# KiCad board Type 1 Termination Board v3 design.kicad_pcb (continued)
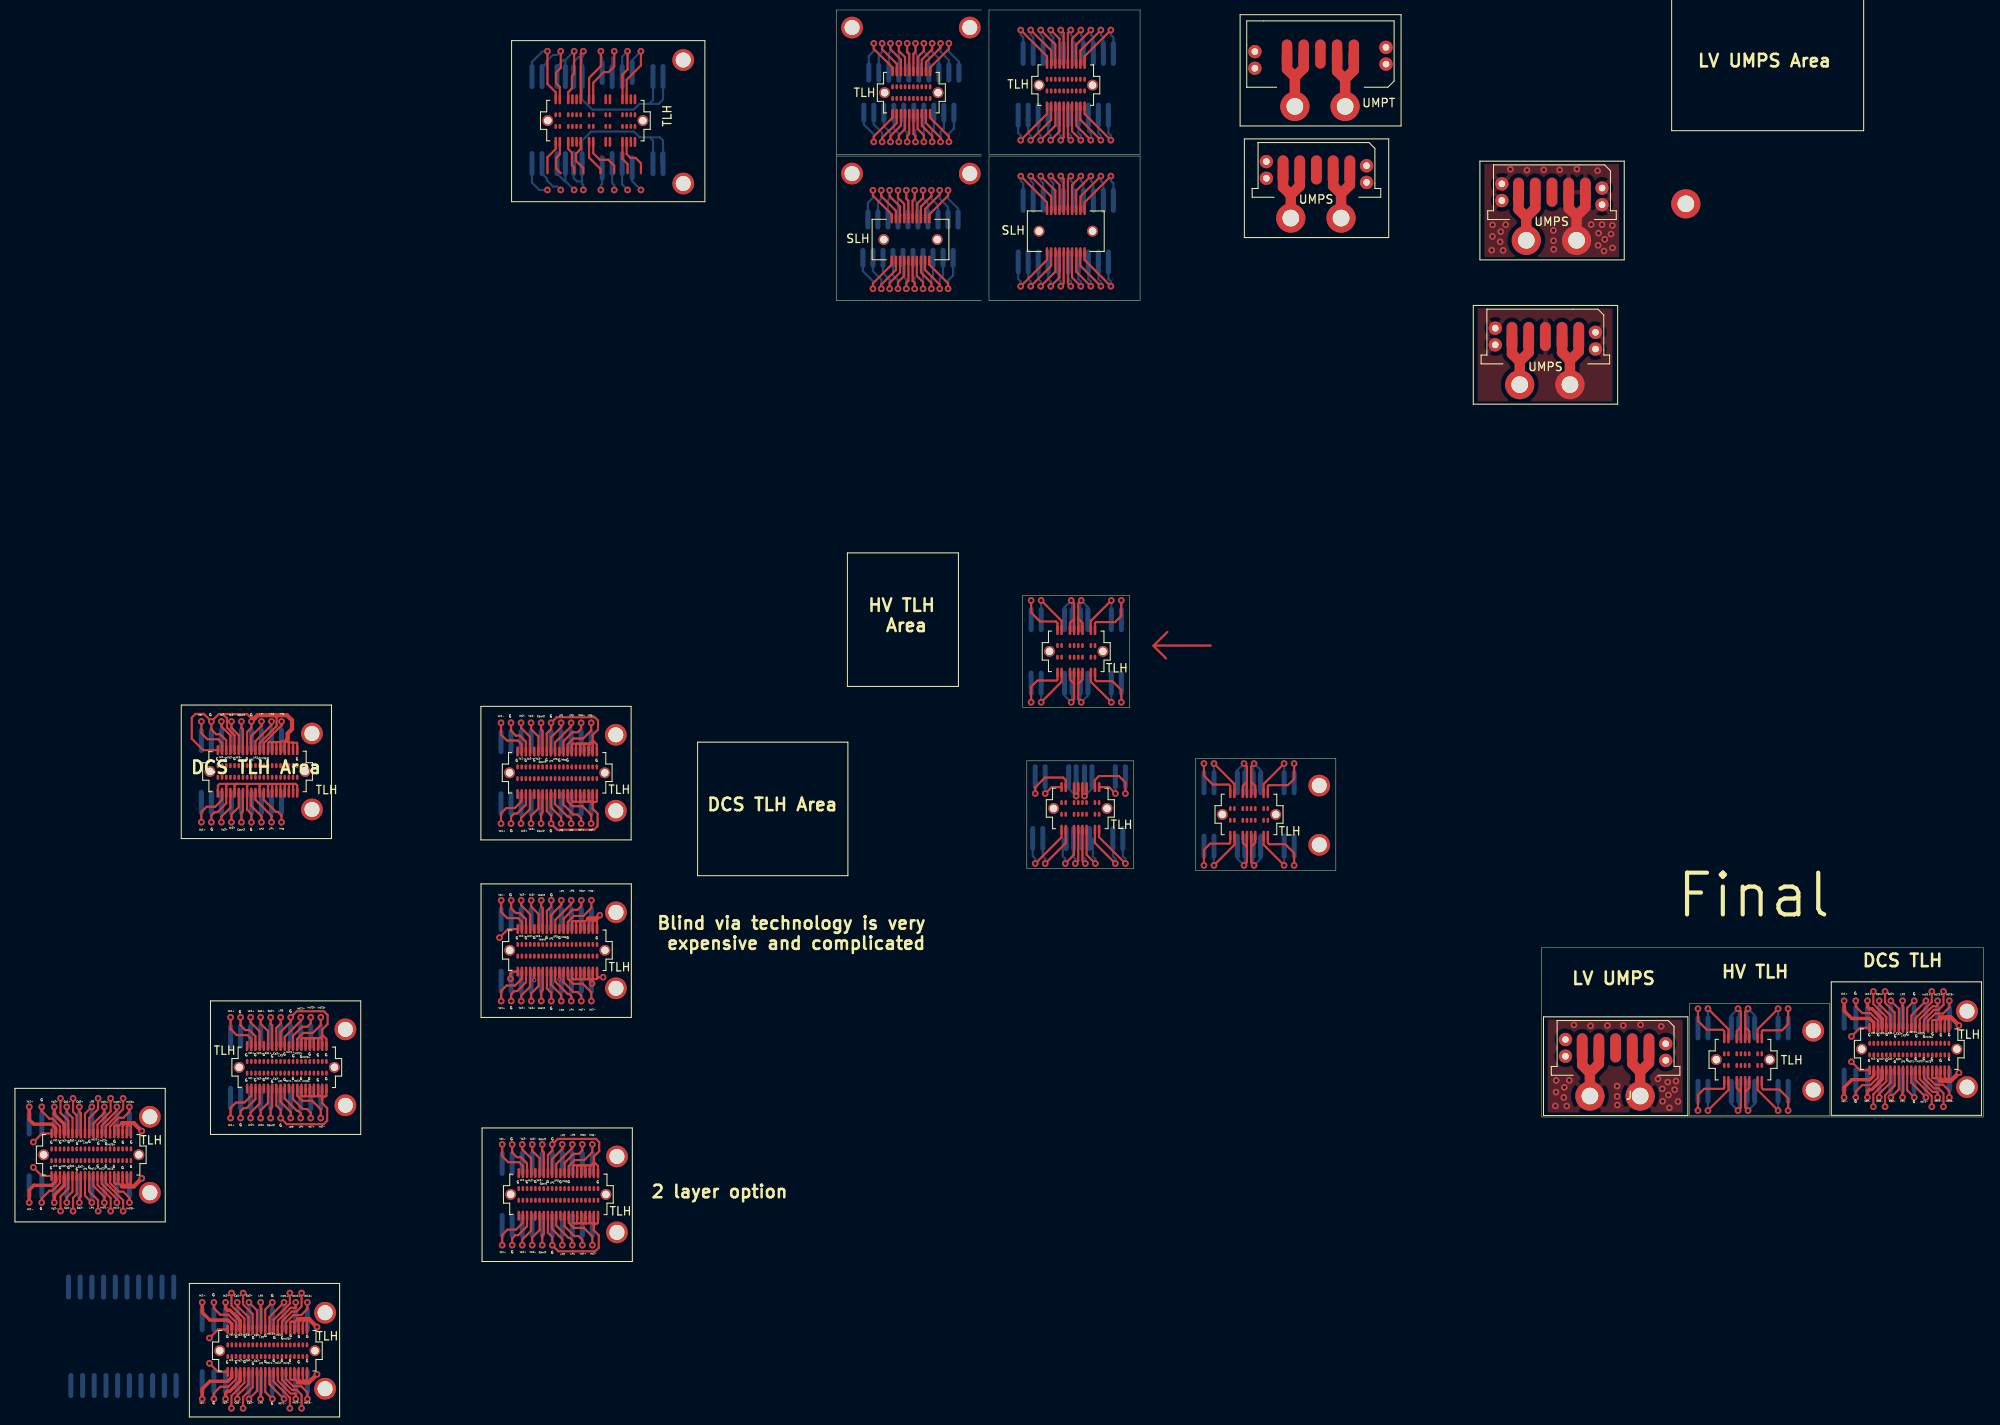
[diagram p0: board, top side]
## Routing (per net, layer and track width the routed paths; a pad name or vN(x,y) marks a point on that pad's centre or on a via; arc(x,y) is an arc through that point) (continued)
TLH#11.17 ; v1(-117.46,47.23) -117.44,47.21 -117.44,46.71 -118.68,45.47 TLH#4.29 ; -56.01,59.64 -56.01,61.54 v1(-56.36,61.89) ; -56.01,59.64 -56.06,59.64 -56.51,59.19 TLH.7 ; -56.01,59.64 TLH.6 ; -152,48.19 -152.08,48.19 ; TLH#4.16 -115.18,37.84 -115.11,37.77 -115.02,37.77 ; v1(-124.66,47.23) -124.66,45.82 -123.94,45.1 -122.64,45.1 -122.18,44.64 TLH#4.22 ; -53.02,39.97 TLH#2.1 -51.83,39.52 v1(-51.07,38.76) ; TLH#4.12 -117.18,37.42 -116,36.24 -115.51,36.24 -115.06,35.79 v1(-115.06,35.16) ; v1(-154.85,-22.22) -153.9,-23.17 TLH#12.15 ; v1(-147.85,-22.22) -147.85,-23 -148.59,-23.74 -149.54,-23.74 -150.4,-24.6 TLH#12.29 ; -151.63,44.92 -151.63,44.86 -151.57,44.8 TLH#5.35 ; TLH#11.15 -174.99,0.47 -174.99,0.47 -175.17,0.64 v1(-175.17,1.21) ; TLH#2.5 -55.02,38.7 v1(-54.77,38.45) -54.52,38.7 TLH#2.4 ; TLH#4.18 -114.18,37.84 ; TLH#4.9 -118.68,37.1 -117.46,35.88 v1(-117.46,35.16) ; v1(-124.66,35.16) -124.66,36.38 -124.02,37.02 -123,37.02 -122.18,37.84 TLH#4.2
  Top w0.4: -176.99,-7.07 -176.99,-8.2 -178.17,-9.38 v1(-178.17,-10.26) ; -177.99,-7.07 -177.99,-7.71 -178.47,-8.19 -180.62,-8.19 -181.17,-8.74 v1(-181.17,-10.26) ; v1(36.22,2.35) 36.22,3.55 37.14,4.47 39.29,4.47 39.77,4.95 39.77,5.59 ; v1(39.02,2.35) 39.02,3.07 39.24,3.29 39.54,3.29 40.77,4.52 40.77,5.59 ; v1(39.02,13.92) 39.02,13.2 39.24,12.98 39.54,12.98 40.77,11.75 TLH#13.7 ; 39.77,10.68 39.77,11.32 39.29,11.8 37.14,11.8 36.22,12.72 v1(36.22,13.92) ; -155.9,-30.55 -155.9,-31.62 -157.13,-32.85 -157.43,-32.85 -157.65,-33.07 v1(-157.65,-33.79) ; -156.9,-30.55 -156.9,-31.19 -157.38,-31.67 -159.53,-31.67 -160.45,-32.59 v1(-160.45,-33.79) ; v1(-181.17,1.21) -181.17,-0.31 -180.62,-0.86 -178.47,-0.86 -177.99,-1.34 -177.99,-1.98 ; -156.9,-25.46 -156.9,-24.82 -157.38,-24.34 -159.53,-24.34 -160.45,-23.42 v1(-160.45,-22.22) ; v1(-157.65,-22.22) -157.65,-22.94 -157.43,-23.16 -157.13,-23.16 -155.9,-24.39 TLH#12.7 ; TLH#11.7 -176.99,-0.85 -178.17,0.33 v1(-178.17,1.21)
  Top w0.5: 48.5,11.93 47.69,11.93 ; 48.5,11.93 48.7,11.93 ; 48.5,11.93 49.01,11.93 v1(49.97,10.97) ; 48.7,4.34 48.5,4.34 ; 48.5,4.34 49.01,4.34 v1(49.97,5.3) ; 48.5,4.34 47.69,4.34 ; -150.22,45.16 -150.22,45.95 -149.69,46.48 -149.69,47.53 -150.3,48.14 -153.8,48.14 v1(-154.55,47.39)
  Top w1.25: UMPT.5 -30.51,125.56 -29.57,124.62 ; -29.57,124.62 REF**#12.1 ; -29.57,124.62 -28.51,125.68 UMPT.4 ; UMPS.4 -28.99,111.56 -30.06,110.49 ; -30.06,110.49 REF**#9.1 ; -30.06,110.49 -30.99,111.42 UMPS.5 ; UMPS.2 -24.99,111.57 -24.04,110.62 ; -24.04,110.62 REF**#10.1 ; -24.04,110.62 -22.99,111.67 UMPS.1 ; -23.55,124.34 -23.55,124.39 -22.51,125.43 UMPT.1 ; -23.55,124.34 REF**#11.1 ; -23.55,124.34 -24.51,125.3 UMPT.2 ; UMPS#3.4 -1.57,91.6 -2.64,90.53 ; -2.64,90.53 -3.57,91.46 UMPS#3.5 ; -2.64,90.53 REF**#26.1
  Bottom w0.25: v1(-73.11,99.24) -73.11,100.64 -72.91,100.84 REF**#45.8 ; v1(-74.11,111.04) -74.11,110.04 -73.51,109.44 REF**#47.7 ; v1(-78.11,99.24) -78.11,100.34 -78.91,101.14 REF**#45.3 ; v1(-71.11,99.24) -71.11,100.24 -70.51,100.84 REF**#45.10 ; v1(-73.11,111.04) -73.11,110.04 -72.31,109.24 REF**#47.8 ; v1(-72.11,111.04) -72.11,110.04 -71.11,109.04 REF**#47.9 ; v1(-72.11,99.24) -72.11,100.44 -71.71,100.84 REF**#45.9 ; v1(-77.11,111.04) REF**#47.4 ; v1(-77.11,99.24) -77.11,100.24 -77.71,100.84 REF**#45.4 ; v1(-75.11,99.24) -75.11,100.54 -75.31,100.74 REF**#45.6 ; v1(-76.11,99.24) -76.11,100.34 -76.51,100.74 REF**#45.5 ; v1(-55.21,99.54) -55.21,100.11 -55.51,100.41 REF**#42.7 ; REF**#42.1 -62.71,100.41 -62.41,100.11 v1(-62.41,99.54) ; v1(-75.01,128.64) -75.01,127.44 -74.61,127.04 REF**#43.6 ; REF**#42.10 -51.91,100.41 -51.61,100.11 v1(-51.61,99.54) ; v1(-78.01,116.84) -78.01,117.94 -78.81,118.74 REF**#40.3 ; v1(-61.21,99.54) -61.21,100.11 -61.51,100.41 REF**#42.2 ; v1(-72.01,128.64) -72.01,127.64 -71.01,126.64 REF**#43.9 ; v1(-51.61,112.74) -51.61,112.17 -51.31,111.87 REF**#44.10 ; v1(-58.81,99.54) -58.81,100.11 -59.11,100.41 REF**#42.4 ; v1(-71.11,111.04) -71.11,110.04 -69.91,108.84 REF**#47.10 ; v1(-80.01,116.84) -80.01,117.74 -81.21,118.94 REF**#40.1 ; v1(-54.01,99.54) -54.01,100.11 -54.31,100.41 REF**#42.8 ; v1(-56.41,99.54) -56.41,100.11 -56.71,100.41 REF**#42.6 ; v1(-79.01,128.64) -79.01,127.64 -79.41,127.24 REF**#43.2 ; v1(-77.01,116.84) -77.01,117.84 -77.61,118.44 REF**#40.4 ; v1(-78.11,111.04) -78.11,110.04 -78.31,109.84 REF**#47.3 ; v1(-60.01,99.54) -60.01,100.11 -60.31,100.41 REF**#42.3 ; v1(-75.11,111.04) -75.11,109.84 -74.71,109.44 REF**#47.6 ; v1(-52.81,112.74) -52.81,112.17 -52.51,111.87 REF**#44.9 ; v1(-52.81,99.54) -52.81,100.11 -53.11,100.41 REF**#42.9 ; REF**#42.5 -57.91,100.41 -57.61,100.11 v1(-57.61,99.54) ; v1(-80.11,99.24) -80.11,100.14 -81.31,101.34 REF**#45.1 ; v1(-76.11,111.04) -76.11,109.94 -75.91,109.74 REF**#47.5 ; v1(-79.11,111.04) -79.11,110.04 -79.51,109.64 REF**#47.2 ; v1(-80.11,111.04) -80.11,110.14 -80.71,109.54 REF**#47.1 ; v1(-79.11,99.24) -79.11,100.34 -80.11,101.34 REF**#45.2 ; v1(-72.01,116.84) -72.01,118.04 -71.61,118.44 REF**#40.9 ; v1(-75.01,116.84) -75.01,118.14 -75.21,118.34 REF**#40.6 ; REF**#41.2 -60.91,129.37 -61.21,129.67 v1(-61.21,130.24) ; v1(-71.01,116.84) -71.01,117.84 -70.41,118.44 REF**#40.10 ; REF**#43.4 v1(-77.01,128.64) ; REF**#43.5 -75.81,127.34 -76.01,127.54 v1(-76.01,128.64) ; REF**#41.3 -59.71,129.37 -60.01,129.67 v1(-60.01,130.24) ; v1(-74.01,116.84) REF**#40.7 ; REF**#43.1 -80.61,127.14 -80.01,127.74 v1(-80.01,128.64) ; v1(-73.01,128.64) -73.01,127.64 -72.21,126.84 REF**#43.8 ; v1(-73.01,116.84) -73.01,118.24 -72.81,118.44 REF**#40.8 ; v1(-74.01,128.64) -74.01,127.64 -73.41,127.04 REF**#43.7 ; v1(-76.01,116.84) -76.01,117.94 -76.41,118.34 REF**#40.5 ; REF**#45.7 v1(-74.11,99.24) ; REF**#41.4 -58.51,129.37 -58.81,129.67 v1(-58.81,130.24) ; REF**#41.1 -62.11,129.37 -62.41,129.67 v1(-62.41,130.24) ; v1(-60.01,112.74) -60.01,112.17 -59.71,111.87 REF**#44.3 ; REF**#44.4 -58.51,111.87 -58.81,112.17 v1(-58.81,112.74) ; REF**#46.7 -55.51,117.91 -55.21,117.61 v1(-55.21,117.04) ; v1(-52.81,117.04) -52.81,117.61 -53.11,117.91 REF**#46.9 ; v1(-52.81,130.24) -52.81,129.67 -52.51,129.37 REF**#41.9 ; REF**#43.10 -69.81,126.44 -71.01,127.64 v1(-71.01,128.64) ; v1(-55.21,130.24) -55.21,129.67 -54.91,129.37 REF**#41.7 ; REF**#44.1 -62.11,111.87 -62.41,112.17 v1(-62.41,112.74) ; v1(-51.61,117.04) -51.61,117.61 -51.91,117.91 REF**#46.10 ; REF**#46.6 -56.71,117.91 -56.41,117.61 v1(-56.41,117.04) ; v1(-61.21,117.04) -61.21,117.61 -61.51,117.91 REF**#46.2 ; REF**#46.1 -62.71,117.91 -62.41,117.61 v1(-62.41,117.04) ; v1(-57.61,130.24) -57.61,129.67 -57.31,129.37 REF**#41.5 ; REF**#44.2 -60.91,111.87 -61.21,112.17 v1(-61.21,112.74) ; v1(-57.61,112.74) -57.61,112.17 -57.31,111.87 REF**#44.5 ; REF**#43.3 -78.21,127.44 -78.01,127.64 v1(-78.01,128.64) ; v1(-57.61,117.04) -57.61,117.61 -57.91,117.91 REF**#46.5 ; v1(-54.01,117.04) -54.01,117.84 -54.31,118.14 REF**#46.8 ; v1(-54.01,130.24) -54.01,129.67 -53.71,129.37 REF**#41.8 ; v1(-51.61,130.24) -51.61,129.67 -51.31,129.37 REF**#41.10 ; v1(-58.81,117.04) -58.81,117.61 -59.11,117.91 REF**#46.4 ; v1(-55.21,112.74) -55.21,112.17 -54.91,111.87 REF**#44.7 ; REF**#41.6 -56.11,129.37 -56.41,129.67 v1(-56.41,130.24) -56.41,129.94 ; v1(-60.01,117.04) -60.01,117.61 -60.31,117.91 REF**#46.3 ; REF**#44.8 -53.71,111.87 -54.01,112.17 v1(-54.01,112.74) ; REF**#40.2 -80.01,118.94 -79.01,117.94 v1(-79.01,116.84) ; v1(-56.41,112.74) -56.41,112.17 -56.11,111.87 REF**#44.6 ; v1(-54.67,30.37) -54.67,30.94 -54.97,31.24 -54.97,33.37 ; v1(-55.87,30.37) -55.87,30.94 -56.17,31.24 -56.17,33.37 ; REF**#49.9 -51.37,31.24 -51.07,30.94 v1(-51.07,30.37) ; -53.77,33.37 -53.77,31.24 -53.47,30.94 v1(-53.47,30.37) ; REF**#49.2 -59.77,31.24 -59.47,30.94 v1(-59.47,30.37) ; v1(-57.07,30.37) -57.07,30.94 -57.37,31.24 -57.37,33.37 ; REF**#49.1 -60.97,31.24 -60.67,30.94 v1(-60.67,30.37) ; v1(-49.87,30.37) -49.87,30.94 -50.17,31.24 REF**#49.10 ; -119.3,126.17 -119.77,125.7 ; -119.3,126.17 -119.75,125.72 Pad_Array_4#2.2 ; -119.3,126.17 -119.19,126.28 -119.19,126.51 -118.44,127.26 -117.92,127.26 -117.52,127.66 ; Pad_Array_4#2.7 -112.55,126.98 -112.7,127.13 v1(-112.7,127.7) -112.75,127.65 ; -116.95,126.65 -117.16,126.65 -117.95,125.87 Pad_Array_4#2.3 ; -116.95,126.65 v1(-115.9,127.7) ; -116.95,126.65 Pad_Array_4#2.4 ; v1(-117.5,111.08) -117.9,111.48 -118.42,111.48 -119.17,112.23 -119.17,112.46 -119.75,113.04 Pad_Array_4.2 ; -106.45,115.44 Pad_Array_4.11 -106.45,116.99 -106.85,117.39 ; -114.95,126.98 -114.8,127.13 v1(-114.8,127.7) ; -114.95,126.98 -115.38,126.98 -115.95,126.42 Pad_Array_4#2.5 -115.95,125.87 ; -114.95,126.98 Pad_Array_4#2.6 -114.95,121.92 -114.55,121.52 -114.55,121.52 -113.74,120.71 -108.75,120.71 -108.07,121.39 -107.11,121.39 ; Pad_Array_4#2.1 -120.95,126.42 -119.67,127.7 v1(-119.1,127.7) ; -115.95,113.04 Pad_Array_4.5 -115.95,112.49 -115.57,112.11 -114.95,112.11 ; -116.95,112.13 Pad_Array_4.4 ; -116.95,112.13 v1(-115.9,111.08) ; -116.95,112.13 -117.04,112.13 -117.95,113.04 Pad_Array_4.3 ; -107.11,121.39 -106.92,121.39 -106.45,121.86 Pad_Array_4#2.11 ; -107.11,121.39 -105.77,121.39 -105.25,121.91 Pad_Array_4#2.12 ; -105.45,115.44 -105.45,114.24 ; -119.74,124.55 -119.74,125.75 ; v1(-111.1,127.7) -111.1,127.13 -111.35,126.88 Pad_Array_4#2.8 ; Pad_Array_4#2.9 -110.15,127.05 v1(-109.5,127.7) ; Pad_Array_4.1 -120.95,111.95 -120.08,111.08 v1(-119.1,111.08) ; Pad_Array_4#2.10 -108.95,126.65 v1(-107.9,127.7) ; v1(-114.8,111.08) -114.8,111.65 -114.93,111.78 -114.95,111.78 -114.95,112.11 ; -114.95,112.11 Pad_Array_4.6 -114.95,116.99 -113.87,118.07 -108.75,118.07 -108.07,117.39 -105.65,117.39 -105.25,116.99 Pad_Array_4.12 ; v1(-107.9,111.08) -108.97,112.15 -108.97,113.72 Pad_Array_4.10 ; v1(-112.7,111.08) -112.7,111.65 -112.55,111.8 Pad_Array_4.7 ; v1(-109.5,111.08) -110.15,111.73 Pad_Array_4.9 ; v1(-111.1,111.08) -111.1,111.66 -111.35,111.91 Pad_Array_4.8 ; -112.75,111.13 -112.7,111.09 ; REF**#51.9 v1(-59.96,49.69) ; REF**#51.10 v1(-61.16,49.69) ; REF**#51.7 -57.16,50.49 v1(-56.36,49.69) -56.26,49.79 REF**#51.6 ; REF**#51.2 v1(-51.56,49.69) ; REF**#51.1 v1(-50.36,49.69) ; REF**#51.4 -54.36,50.49 v1(-55.16,49.69) -55.26,49.79 REF**#51.5 ; v1(-154.55,35.31) REF**#54.6 ; v1(-153.35,35.32) REF**#54.7 ; v1(-150.95,35.32) REF**#54.9 ; v1(-155.75,35.32) REF**#54.5 ; v1(-152.15,47.39) REF**#55.8 ; v1(-159.35,47.39) REF**#55.2 ; v1(-153.35,47.39) REF**#55.7 ; v1(-160.55,47.39) REF**#55.1 ; v1(-158.15,35.32) REF**#54.3 ; v1(-156.95,47.39) REF**#55.4 ; v1(-159.35,35.32) REF**#54.2 ; v1(-154.55,47.39) REF**#55.6 ; v1(-158.15,47.39) REF**#55.3 ; v1(-160.55,35.32) REF**#54.1 ; v1(-155.75,47.39) REF**#55.5 ; v1(-150.95,47.39) REF**#55.9 ; v1(-156.95,35.32) REF**#54.4 ; v1(-152.15,35.32) REF**#54.8 ; v1(-152.25,11.94) REF**#56.5 ; v1(-147.45,11.94) REF**#56.9 ; v1(-151.05,11.94) REF**#56.6 ; v1(-147.45,-0.13) REF**#57.9 ; v1(-148.65,-0.13) REF**#57.8 ; v1(-154.65,11.94) REF**#56.3 ; v1(-153.45,11.94) REF**#56.4 ; v1(-157.05,-0.13) REF**#57.1 ; v1(-153.45,-0.13) REF**#57.4 ; v1(-152.25,-0.13) REF**#57.5 ; v1(-146.25,-0.13) REF**#57.10 ; v1(-146.25,11.94) REF**#56.10 ; REF**#58.4 -33.66,30.95 v1(-34.46,30.15) -34.56,30.25 REF**#58.5 ; REF**#59.7 -33.66,41.55 v1(-34.46,42.35) -34.56,42.25 REF**#59.6 ; REF**#59.5 -35.56,42.25 v1(-35.66,42.35) -36.46,41.55 REF**#59.4 ; REF**#58.9 v1(-39.26,30.15) ; REF**#58.1 v1(-29.66,30.15) ; REF**#58.10 v1(-40.46,30.15) ; REF**#58.2 v1(-30.86,30.15) ; REF**#59.2 v1(-39.26,42.35) ; REF**#58.6 -35.56,30.25 v1(-35.66,30.15) -36.46,30.95 REF**#58.7 ; REF**#59.10 v1(-29.66,42.35) ; REF**#59.1 v1(-40.46,42.35) ; REF**#59.9 v1(-30.86,42.35) ; v1(-117.44,25.96) REF**#60.7 ; v1(-117.44,13.89) REF**#61.7 ; v1(-115.04,25.96) REF**#60.9 ; v1(-115.04,13.89) REF**#61.9 ; v1(-116.24,13.89) REF**#61.8 ; v1(-124.64,25.96) REF**#60.1 ; v1(-119.84,25.96) REF**#60.5 ; v1(-116.24,25.96) REF**#60.8 ; v1(-121.04,13.89) REF**#61.4 ; v1(-121.04,25.96) REF**#60.4 ; v1(-122.24,13.89) REF**#61.3 ; v1(-124.64,13.89) REF**#61.1 ; v1(-122.24,25.96) REF**#60.3 ; v1(-119.84,13.89) REF**#61.5 ; v1(-113.84,25.96) REF**#60.10 ; v1(-113.84,13.89) REF**#61.10 ; v1(-117.32,-3.29) REF**#62.7 ; v1(-117.32,-15.36) REF**#63.7 ; v1(-114.92,-3.29) REF**#62.9 ; v1(-114.92,-15.36) REF**#63.9 ; v1(-116.12,-15.36) REF**#63.8 ; v1(-124.52,-3.29) REF**#62.1 ; v1(-119.72,-3.29) REF**#62.5 ; v1(-116.12,-3.29) REF**#62.8 ; v1(-120.92,-15.36) REF**#63.4 ; v1(-120.92,-3.29) REF**#62.4 ; v1(-122.12,-15.36) REF**#63.3 ; v1(-124.52,-15.36) REF**#63.1 ; v1(-122.12,-3.29) REF**#62.3 ; v1(-119.72,-15.36) REF**#63.5 ; v1(-113.72,-3.29) REF**#62.10 ; v1(-113.72,-15.36) REF**#63.10 ; REF**#64.1 v1(29.51,0.77) ; REF**#65.2 v1(19.91,12.97) ; REF**#64.16 25.51,1.57 v1(24.71,0.77) 24.61,0.87 REF**#64.15 ; REF**#64.14 23.61,0.87 v1(23.51,0.77) 22.71,1.57 REF**#64.13 ; REF**#64.2 v1(28.31,0.77) ; REF**#65.5 23.61,12.87 v1(23.51,12.97) 22.71,12.17 REF**#65.4 ; REF**#64.11 v1(18.71,0.77) ; REF**#65.7 25.51,12.17 v1(24.71,12.97) 24.61,12.87 REF**#65.6 ; REF**#65.1 v1(18.71,12.97) ; REF**#64.12 v1(19.91,0.77) ; REF**#65.9 v1(28.31,12.97) ; REF**#65.10 v1(29.51,12.97) ; v1(-113.86,47.23) REF**#53.10 ; v1(-123.46,47.23) REF**#53.2 ; v1(-119.86,35.16) REF**#52.5 ; v1(-122.26,47.23) REF**#53.3 ; v1(-116.26,47.23) REF**#53.8 ; REF**#50.7 -54.36,61.09 v1(-55.16,61.89) -55.26,61.79 REF**#50.6 ; REF**#50.1 v1(-61.16,61.89) ; v1(-116.26,35.16) REF**#52.8 ; v1(-115.06,47.23) REF**#53.9 ; REF**#48.6 v1(-54.77,38.45) -53.87,39.35 REF**#48.7 ; v1(-119.86,47.23) REF**#53.5 ; v1(-121.06,47.23) REF**#53.4 ; -55.95,38.45 -55.87,38.45 ; REF**#50.9 v1(-51.56,61.89) ; REF**#50.2 v1(-59.96,61.89) ; v1(-124.66,35.16) REF**#52.1 ; REF**#48.2 v1(-59.47,38.76) ; v1(-123.46,35.16) REF**#52.2 ; REF**#50.5 -56.26,61.79 v1(-56.36,61.89) -57.16,61.09 REF**#50.4 ; v1(-113.86,35.16) REF**#52.10 ; v1(-118.66,47.23) REF**#53.6 ; v1(-115.06,35.16) REF**#52.9 ; REF**#48.10 v1(-49.87,38.76) ; v1(-118.66,35.15) REF**#52.6 ; REF**#48.5 v1(-55.77,38.45) -56.67,39.35 REF**#48.4 ; v1(-121.06,35.16) REF**#52.4 ; -54.59,38.45 -54.67,38.45 ; REF**#48.9 v1(-51.07,38.76) ; v1(-117.46,47.23) REF**#53.7 ; v1(-117.46,35.16) REF**#52.7 ; REF**#48.1 v1(-60.67,38.76) ; v1(-122.26,35.16) REF**#52.3 ; REF**#50.10 v1(-50.36,61.89) ; v1(-124.66,47.23) REF**#53.1
  Bottom w0.4: REF**#66.26 v1(-170.67,-10.26) ; REF**#66.30 v1(-169.17,-10.26) ; REF**#66.22 v1(-172.17,-10.26) ; REF**#66.12 v1(-176.67,-10.26) ; REF**#66.16 v1(-175.17,-10.26) ; REF**#66.8 v1(-178.17,-10.26) ; REF**#66.18 v1(-173.67,-10.26) ; REF**#66.4 v1(-181.17,-10.26) ; v1(44.62,13.92) REF**#72.19 ; v1(41.82,2.35) REF**#71.16 ; v1(36.22,2.35) REF**#71.4 ; v1(48.82,2.35) REF**#71.30 ; v1(40.42,2.35) REF**#71.12 ; v1(47.42,2.35) REF**#71.26 ; v1(46.02,2.35) REF**#71.22 ; v1(43.22,2.35) REF**#71.18 ; v1(39.02,2.35) REF**#71.8 ; v1(48.82,13.92) REF**#72.29 ; v1(46.02,13.92) REF**#72.21 ; v1(47.42,13.92) REF**#72.25 ; v1(36.22,13.92) REF**#72.3 ; v1(39.02,13.92) REF**#72.7 ; v1(40.42,13.92) REF**#72.11 ; v1(41.82,13.92) REF**#72.15 ; v1(43.22,13.92) REF**#72.17 ; v1(37.62,13.92) REF**#72.5 ; v1(44.62,2.35) REF**#71.20 ; v1(37.62,2.35) REF**#71.6 ; v1(-154.85,-33.79) REF**#73.16 ; v1(-157.65,-33.79) REF**#73.8 ; v1(-160.45,-33.79) REF**#73.4 ; v1(-149.25,-33.79) REF**#73.26 ; v1(-156.25,-33.79) REF**#73.12 ; v1(-153.45,-33.79) REF**#73.18 ; v1(-150.65,-33.79) REF**#73.22 ; v1(-147.85,-33.79) REF**#73.30 ; REF**#67.11 v1(-176.67,1.21) ; v1(-153.45,-22.22) REF**#68.17 ; REF**#67.25 v1(-170.67,1.21) ; REF**#67.7 v1(-178.17,1.21) ; v1(-160.45,-22.22) REF**#68.3 ; v1(-149.25,-22.22) REF**#68.25 ; REF**#67.29 v1(-169.17,1.21) ; v1(-150.65,-22.22) REF**#68.21 ; REF**#67.17 v1(-173.67,1.21) ; v1(-157.65,-22.22) REF**#68.7 ; v1(-156.25,-22.22) REF**#68.11 ; v1(-147.85,-22.22) REF**#68.29 ; REF**#67.15 v1(-175.17,1.21) ; v1(-154.85,-22.22) REF**#68.15 ; REF**#67.21 v1(-172.17,1.21) ; REF**#67.3 v1(-181.17,1.21)
